# KiCad board LTC6811_ESP32_V5_Main.kicad_pcb (continued)
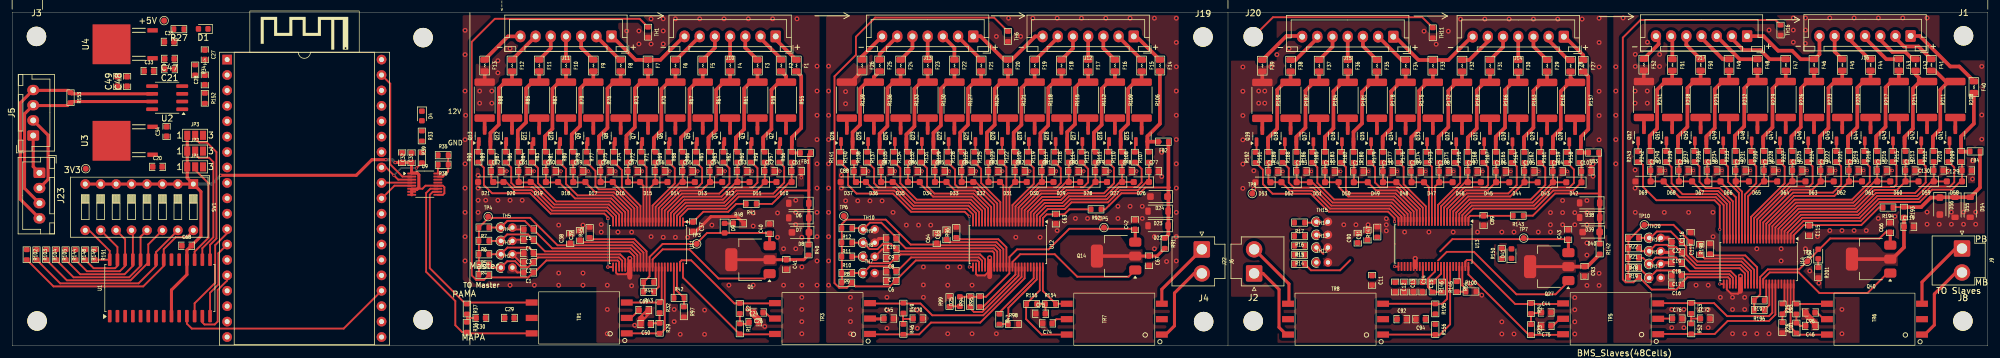
[diagram p0: board, top side]
## Routing (per net, layer and track width the routed paths; a pad name or vN(x,y) marks a point on that pad's centre or on a via; arc(x,y) is an arc through that point)
+3V3: length 103
  Top w0.3: U9.6 67.5,25.9 68,26.4 U9.12 70.85,26.4 71.1,26.15 71.1,25.15 70.85,24.9 U9.9
  Top w0.5: JP3.1 28.8,27.67 SW1.1 ; v1(34.3,28.1) 34.31,28.11 56.61,28.11 59.19,30.69 v1(61.49,30.69) ; SW1.1 31.05,25.42 31.05,18.07 28.74,15.77 28.74,11.75 26.2,9.21 26.2,5.45 ; SW1.1 SW1.8 ; v1(63,30.2) 63.03,30.22 C31.2 C32.1 65.7,28.5 66.59,28.5 66.9,28.19 66.9,26.11 66.59,25.8 65.72,25.8 U9.8
  Bottom w0.5: v1(34.3,28.1) 32.87,26.67 SW1.1 ; v1(61.49,30.69) 62.51,30.69 v1(63,30.2)
/PowerSupply/+12V: length 6.6
  Top w0.5: J5.1 3.46,29.54 J23.1
GND: length 13.4
  Top w0.3: 31.15,32.1 31.6,31.65
  Top w0.5: J23.2 5.91,27.44 5.91,34.71 J5.2
GND_PACK: length 116.4
  Top w0.2: 232.27,8.95 232.3,8.93
  Top w0.3: U11.26 99.35,12.05 99.6,11.8 101,11.8 101.35,12.15 U11.30 101.35,11.55 101.6,11.3 101.85,11.55 U11.31 ; C1.2 83.09,12.1 TH2.2 ; C5.2 82.61,19.19 TH5.2 ; TH4.2 82.48,17.49 C4.2 ; 283.9,8.6 284.55,9.25 U14.31 ; 283.9,8.6 282.75,8.6 282.05,9.3 U14.26 ; 283.9,8.6 284.05,8.75 ; C3.2 82.5,15.3 TH3.2 83.59,13.8 C2.2 ; TH8.2 143.09,15.9 143.83,15.9 ; U12.26 158.55,11.85 158.8,11.6 160,11.6 160.55,12.15 U12.30 U12.31 161.05,11.65
  Top w0.5: C135.2 v1(295.27,28.9) ; C78.2 v1(185,28.8) ; C54.2 v1(117.3,28.8) ; C104.2 v1(255.85,28.76) ; C85.2 v1(154.2,28.8) ; TH9.2 142.59,17.7 C10.2 ; C19.2 271.39,15.4 TH19.2 ; C86.2 v1(149.7,28.8) ; C110.2 v1(227.85,28.76) ; C79.2 v1(180.6,28.8) ; C60.2 v1(90.3,28.8) ; 112.5,18.85 114.95,21.3 119.22,21.3 R48.2 ; C53.2 v1(121.8,28.8) ; v2(260.05,29.96) 259.7,29.61 C103.2 ; C139.2 v1(276.57,28.9) ; TH20.2 272.35,17.8 C22.2 ; C131.2 v1(313.88,28.9) ; C112.2 v1(218.55,28.76) ; C137.2 v1(285.98,28.9) ; v1(85.9,28.8) C61.2 ; C87.2 v1(145.3,28.8) ; C136.2 v1(290.68,28.9) ; C58.2 v1(99.3,28.8) ; C84.2 v1(158.6,28.8) ; C105.2 v1(251.15,28.76) ; C18.2 271.5,13.7 ; C56.2 v1(108.2,28.8) ; C52.2 v1(126.3,28.8) ; C130.2 v1(318.57,28.9) ; C132.2 v1(309.27,28.9) ; C82.2 v1(167.4,28.8) ; C111.2 v1(223.15,28.76) ; C59.2 v1(94.8,28.8) ; C134.2 v1(299.98,28.9) ; C133.2 v1(304.57,28.9) ; C80.2 v1(176.3,28.8) ; C55.2 v1(112.8,28.8) ; C62.2 v1(81.4,28.8) ; C106.2 v1(246.55,28.76) ; C88.2 v1(140.9,28.8) ; 231.75,28.76 v1(232.55,28.76) ; C108.2 v1(237.15,28.76) ; C81.2 v1(171.8,28.8) ; C114.2 v1(209.05,28.76) ; C83.2 v1(162.95,28.8) ; C140.2 v1(271.98,28.9) ; C107.2 v1(241.95,28.76) ; C138.2 v1(281.27,28.9) ; C57.2 v1(103.7,28.8) ; C113.2 v1(213.75,28.76) ; C51.2 v1(129.8,27.7)
  Top w0.6: 77.72,43.5 F13.2 ; R241.1 268.4,43.59 F52.2 ; F26.2 138,43.46 R139.1 ; R190.1 F39.2
  Top w0.8: v2(284.3,11.48) 284.3,9 ; 101.6,11.3 v2(101.6,14.4) ; v2(160.8,14.5) 160.8,11.4 ; v2(230.8,14.41) 230.8,13.06
  Top w1: 103.45,4.1 103.45,4.44 v2(104,4.99) 104.68,5.66 C69.2 ; C26.2 121.97,5.18 122.78,4.38 C24.2 ; C46.1 296.57,3.71 295.02,5.26 295.02,5.5
  vias: v2(74.5,52) v2(74.5,48) v2(74.5,42) v2(74.5,34) v2(74.5,30) v2(74.5,26) v2(74.5,22) v2(74.5,18) v2(74.5,14) v2(74.6,38) v2(76.65,28.1) v2(76.65,26) v2(76.65,24) v2(76.65,22) v2(76.9,42) v2(76.9,40) v2(77.9,24) v2(78.9,42) v2(78.9,40) v2(79.9,47) v2(79.9,45) v2(79.9,24) v2(81.9,49) v2(81.9,24) v2(81.9,10) v2(83.9,24) v2(85.9,10) v2(89.9,19.9) v2(89.9,12) v2(89.9,10) v2(93.9,19.9) v2(93.9,12) v2(93.9,10) v2(96.9,20) v2(96.9,18.75) v2(97.9,10) v2(97.9,6) v2(97.9,2) v2(99.65,18.75) v2(101.1,51.9) v2(101.9,18.75) v2(101.9,9.9) v2(102.4,3.4) v2(103.1,51.9) v2(103.1,49.75) v2(105.1,53.9) v2(105.1,49.75) v2(105.1,18) v2(107.1,53.9) v2(107.1,51.9) v2(107.1,49.75) v2(107.1,17.9) v2(108.9,6) v2(108.9,4) v2(109.1,53.9) v2(109.1,17.9) v2(109.9,1.9) v2(111.1,17.9) v2(113.1,53.9) v2(113.9,5.9) v2(113.9,1.9) v2(115.1,19.9) v2(117.1,53.9) v2(117.9,10) v2(121,6) v2(121.1,53.9) v2(121.9,21.9) v2(121.9,19.75) v2(121.9,10) v2(123.8,3.2) v2(125.1,53.9) v2(125.9,21.9) v2(125.9,17.9) v2(126.9,16) v2(126.9,10) v2(128.9,24) v2(128.9,22) v2(128.9,20) v2(128.9,16) v2(129.1,53.9) v2(129.9,17.9) v2(129.9,13) v2(129.9,10) v2(129.9,8) v2(129.9,6) v2(129.9,4) v2(129.9,2) v2(132.4,46.1) v2(132.4,42) v2(132.4,38) v2(132.4,34) v2(132.4,30) v2(132.4,26) v2(132.4,22) v2(132.4,18) v2(132.4,14) v2(132.4,10) v2(134.3,46.1) v2(134.3,42) v2(134.3,38) v2(134.3,34) v2(134.3,30) v2(134.3,26) v2(134.3,22) v2(134.3,18) v2(134.3,14) v2(134.3,10) v2(136.4,28.1) v2(136.4,26) v2(137.1,41.9) v2(137.1,39.9) v2(137.1,23.9) v2(137.9,8) v2(137.9,6) v2(137.9,4) v2(137.9,2) v2(139.1,23.9) v2(141.1,23.9) v2(143.1,23.9) v2(143.9,8) v2(143.9,5.9) v2(143.9,2.9) v2(144.9,22) v2(147.1,19.9) v2(148.9,5.9) v2(148.9,2.9) v2(149.1,19.9) v2(149.9,13) v2(149.9,10.04) v2(149.9,8) v2(151.1,19.9) v2(153.9,13) v2(153.9,10) v2(153.9,2) v2(155.9,13) v2(157.9,10) v2(157.9,2) v2(161.9,51) v2(161.9,2) v2(163.9,54) v2(165.1,17.9) v2(165.9,51) v2(167.9,54) v2(169.1,17.9) v2(171.9,54) v2(171.9,19) v2(174.9,21) v2(175.9,54) v2(176.9,21) v2(178.9,21) v2(179.9,54) v2(181.9,23) v2(181.9,21) v2(183.9,54) v2(183.9,23) v2(185.9,23) v2(185.9,21) v2(187.9,54) v2(187.9,18) v2(187.9,16) v2(189.1,31.9) v2(189.1,27.9) v2(189.9,13.9) v2(191.5,54) v2(191.5,50) v2(191.5,46) v2(191.5,42) v2(191.5,38) v2(191.5,34) v2(191.5,30) v2(191.5,26) v2(191.5,22) v2(191.5,18) v2(191.5,14) v2(202.45,45.96) v2(202.45,41.96) v2(202.45,37.96) v2(202.45,33.96) v2(202.45,29.96) v2(202.45,25.96) v2(204.25,28.86) v2(204.25,25.86) v2(205.05,42) v2(205.05,40) v2(206.05,42) v2(206.05,40) v2(207.05,46) v2(208.05,48) v2(210.05,49) v2(219.05,19.96) v2(221.05,19.96) v2(223.05,19.96) v2(226.05,20.96) v2(226.05,19.96) v2(226.05,18.96) v2(229.05,18.76) v2(232.25,51.86) v2(233.05,18.76) v2(234.25,49.71) v2(236.25,51.86) v2(237.05,18.76) v2(238.25,53.86) v2(239.85,10.16) v2(241.05,18.76) v2(241.75,8.36) v2(242.25,53.86) v2(245.05,18.76) v2(245.05,3.96) v2(245.05,1.96) v2(246.25,53.86) v2(247.05,18.76) v2(247.05,1.96) v2(250.25,53.86) v2(251.05,18.76) v2(253.05,21.96) v2(253.05,19.96) v2(253.05,18.76) v2(254.25,53.86) v2(255.05,23.96) v2(255.05,21.96) v2(255.05,19.96) v2(257.05,21.96) v2(257.05,19.96) v2(257.05,7.96) v2(257.05,5.96) v2(257.05,3.96) v2(257.05,1.96) v2(258.25,53.86) v2(259.05,23.96) v2(259.05,21.96) v2(259.05,19.96) v2(259.05,16.96) v2(259.05,14.96) v2(259.05,9.96) v2(260.05,27.96) v2(261.05,54) v2(261.05,50) v2(261.05,45.96) v2(261.05,41.96) v2(261.05,37.96) v2(261.05,33.96) v2(261.05,11.96) v2(261.05,9.96) v2(263.8,46) v2(263.8,42) v2(263.8,38) v2(263.8,34) v2(263.8,30) v2(265,54.04) v2(267,48.04) v2(267,46.04) v2(266.98,42) v2(266.98,40) v2(266.98,29) v2(266.98,26) v2(267,22) v2(269,50.04) v2(268.98,42) v2(268.98,40) v2(271,48.04) v2(271,46.04) v2(271.77,22) v2(273,6) v2(273,3) v2(275,6) v2(275,3) v2(275.77,22) v2(277,10) v2(279,10) v2(279,6) v2(279,3) v2(279.77,22) v2(279.8,18) v2(281,8) v2(283,8) v2(283,6) v2(283,2) v2(285,8) v2(285,6) v2(285,2) v2(287,16) v2(287,2) v2(289,52.04) v2(289,2) v2(291,16) v2(291,14) v2(293,54.04) v2(293,52.04) v2(293,50.04) v2(295,54.04) v2(295,52.04) v2(294.98,49.85) v2(295,16) v2(295.7,12.34) v2(296.98,18) v2(297.2,10.34) v2(299,54.04) v2(299,19) v2(301,19) v2(301,6) v2(301,2) v2(303,54.04) v2(303,19) v2(305,19) v2(307,54.04) v2(306.98,21) v2(309.7,21.34) v2(311,54.04) v2(315,54.04) v2(315,22.04) v2(315,20.04) v2(317,20.04) v2(319,22.04) v2(319,20.04) v2(321,22.04) v2(321,20.04) v2(322.48,30.5) v2(322.48,27.5) v2(323,22.04) v2(323,20.04) v2(324,46.05) v2(324,38.05) v2(324,34.05)
/CAN/CAN_H: length 37.6
  Top w0.5: 23.02,40.26 9.77,40.26 9.1,39.6 3.52,39.6 J5.3 2.04,38.24 2.04,25.96 J23.3
/CAN/CAN_L: length 43.2
  Top w0.5: J23.4 1.34,24.16 1.34,40.04 J5.4 3.52,42.1 9.23,42.1 9.79,41.53 U2.6
/MCU/HSPI_CS: length 36.2
  Top w0.3: U8.23 54.53,2.85 29.55,2.85 28.74,3.66 U1.11
/MCU/HSPI_MISO: length 13
  Top w0.3: U8.13 33.93,15.26 33.93,10.13 32.56,8.75 32.56,4.9
/MCU/HSPI_MOSI: length 13.2
  Top w0.3: 31.28,4.43 31.28,5.45 ; U1.13 31.28,3.88 31.64,3.53 33.33,3.53 33.82,4.02 33.82,9.22 35.36,10.76 U8.15
/MCU/HSPI_SCK: length 16.5
  Top w0.3: U8.12 35.36,18.56 33.4,16.6 33.4,10.4 30.02,7.01 30.02,4.95
/MCU/IM: length 32.9
  Top w0.3: U9.10 69.2,25.4 68.7,24.9 68.7,12.8 74.6,6.9 R37.1 75.04,7.14 TR1.4
/MCU/IP: length 39.1
  Top w0.3: TR1.6 74.99,2.06 R36.2 74.05,2.25 72.9,3.4 72.9,7.4 68.1,12.2 68.1,25.2 68.8,25.9 U9.11
/MCU/VSPI_CS: length 5.8
  Top w0.3: 60.82,24.32 62.9,26.4 U9.5
/MCU/VSPI_MISO: length 11.2
  Top w0.3: v1(66.5,29.3) 66.53,29.3 R39.2 ; U9.3 63.5,27.4 61.5,29.4 U8.31
  Bottom w0.3: v1(62.8,28.1) 64,29.3 v1(66.5,29.3)
/MCU/VSPI_MOSI: length 19.7
  Top w0.3: U9.2 64.2,27.9 62.2,29.9 62.2,43.2 U8.37
/MCU/VSPI_SCK: length 5
  Top w0.3: U8.30 60.81,26.9 U9.4
/Slaves/LTC6811_1/BAT+: length 25.1
  Top w0.3: R41.1 125.01,23.4 127.21,25.6 130.95,25.6
  Top w0.5: FB1.1 131.05,31.53 D6.1 131.05,16.68 R40.1 131.07,16.7 ; 131.43,31.8 131.3,31.68
/Slaves/LTC6811_1/C1: length 5.5
  Top w0.6: J11.1 86.09,51 F12.1
/Slaves/LTC6811_1/C1_G: length 7.5
  Top w0.6: J11.0 81.56,51 77.72,47.17 F13.1
/Slaves/LTC6811_1/C2: length 4.6
  Top w0.6: J11.2 88.6,49.04 F11.1
/Slaves/LTC6811_1/C3: length 3.9
  Top w0.6: F10.1 J11.3
/Slaves/LTC6811_1/C4: length 4.7
  Top w0.6: F9.1 93.6,49.14 J11.4
/Slaves/LTC6811_1/C5: length 5.6
  Top w0.6: J11.5 99.96,47.14 F8.1
/Slaves/LTC6811_1/C6: length 15.2
  Top w0.6: J10.0 110.5,51 106.64,47.14 F7.1 102.56,47.14 98.7,51 J11.6
/Slaves/LTC6811_1/C7: length 5.6
  Top w0.6: J10.1 109.24,47.14 F6.1
/Slaves/LTC6811_1/C8: length 4.7
  Top w0.6: F5.1 115.6,49.14 J10.2
/Slaves/LTC6811_1/C9: length 3.9
  Top w0.6: J10.3 F4.1
/Slaves/LTC6811_1/C10: length 4.7
  Top w0.6: F3.1 120.6,49.14 J10.4
/Slaves/LTC6811_1/C11: length 5.3
  Top w0.6: J10.5 123.1,50.7 126.5,47.3 F2.1
/Slaves/LTC6811_1/C12: length 5.3
  Top w0.6: J10.6 125.6,50.5 128.96,47.14 F1.1
/Slaves/LTC6811_1/cell1/C: length 26.5
  Top w0.3: R89.1 78.83,26.94 81.32,26.94 82.61,25.65 85.44,25.65 88.79,22.3 97.74,22.3 98.85,21.19 U11.24
/Slaves/LTC6811_1/cell1/C+: length 15.5
  Top w0.6: F12.2 82.22,43.5 81.1,43.5 80.05,42.45 80.05,36.45 78.67,35.07 Q13.2 78.67,32.07 R89.2
/Slaves/LTC6811_1/cell1/S: length 35.8
  Top w0.3: v3(98,21) 98,21.2 97.4,21.8 88.58,21.8 85.23,25.15 78.95,25.15 77.6,26.5 77.6,29.35 R90.1 ; U11.25 98.01,12.99 v3(98,13)
  Bottom w0.3: v3(98,13) v3(98,21)
/Slaves/LTC6811_1/cell2/C: length 23.3
  Top w0.3: U11.22 99.85,21.61 98.16,23.3 89.2,23.3 85.56,26.94 83.33,26.94 R86.1
/Slaves/LTC6811_1/cell2/C+: length 15.5
  Top w0.6: F11.2 86.7,43.5 85.6,43.5 84.53,42.42 84.53,36.82 83.17,35.47 Q12.2 83.17,32.07 R86.2
/Slaves/LTC6811_1/cell2/S: length 24.3
  Top w0.3: R87.1 82.1,29.38 82.1,26.87 82.82,26.15 85.64,26.15 88.99,22.8 97.95,22.8 99.35,21.4 U11.23
/Slaves/LTC6811_1/cell3/C: length 20
  Top w0.3: U11.20 100.85,22.02 98.57,24.3 92.6,24.3 89.96,26.94 87.8,26.94 R83.1
/Slaves/LTC6811_1/cell3/C+: length 15.5
  Top w0.6: R83.2 87.65,32.07 Q11.2 87.65,34.55 88.88,35.78 88.88,42.38 90,43.5 91.1,43.5 F10.2
/Slaves/LTC6811_1/cell3/S: length 21.2
  Top w0.3: R84.1 85.53,30.28 86.5,29.3 86.5,26.8 89.5,23.8 98.36,23.8 100.35,21.81 U11.21
/Slaves/LTC6811_1/cell4/C: length 16.8
  Top w0.3: U11.18 101.85,22.43 98.98,25.3 95.94,25.3 94.3,26.94 92.3,26.94 R80.1
/Slaves/LTC6811_1/cell4/C+: length 15.6
  Top w0.6: F9.2 95.6,43.5 94.5,43.5 93.43,42.42 93.43,36.22 92.05,34.85 Q10.2 92.05,32.18 R80.2
/Slaves/LTC6811_1/cell4/S: length 17.9
  Top w0.3: R81.1 91.1,29.18 91.1,26.7 93,24.8 98.78,24.8 101.35,22.23 U11.19
/Slaves/LTC6811_1/cell5/C: length 13.5
  Top w0.3: R77.1 D17.1 98.7,27 102.85,22.85 U11.16
/Slaves/LTC6811_1/cell5/C+: length 15.6
  Top w0.6: R77.2 96.55,32.18 Q9.2 96.55,34.55 97.93,35.93 97.93,42.42 99,43.5 100.1,43.5 F8.2
/Slaves/LTC6811_1/cell5/S: length 14.7
  Top w0.3: R78.1 95.95,28.82 95.95,26.35 96.5,25.8 99.19,25.8 102.35,22.64 U11.17
/Slaves/LTC6811_1/cell6/C: length 12.1
  Top w0.3: U11.14 103.85,26.39 103.3,26.94 101.3,26.94 C57.1 R74.1
/Slaves/LTC6811_1/cell6/C+: length 15.6
  Top w0.6: F7.2 104.6,43.5 103.5,43.5 102.43,42.42 102.43,36.03 101.05,34.65 Q8.2 101.05,32.18 R74.2
/Slaves/LTC6811_1/cell6/S: length 11.7
  Top w0.3: U11.15 103.35,23.06 100.3,26.11 100.3,28.97 R75.1
/Slaves/LTC6811_1/cell7/C: length 12.3
  Top w0.3: 105.8,26.94 107.8,26.94 ; 105.8,26.94 R71.1 ; 105.8,26.94 104.85,25.99 U11.12
/Slaves/LTC6811_1/cell7/C+: length 15.6
  Top w0.6: R71.2 105.55,32.18 Q7.2 105.55,34.25 106.8,35.5 106.8,42.3 108,43.5 109.1,43.5 F6.2
/Slaves/LTC6811_1/cell7/S: length 10.2
  Top w0.3: R72.1 104.35,29.43 U11.13
/Slaves/LTC6811_1/cell8/C: length 14
  Top w0.3: 110.3,26.94 R68.1 ; 110.3,26.94 112.3,26.94 ; 110.3,26.94 109.88,26.94 105.85,22.91 U11.10
/Slaves/LTC6811_1/cell8/C+: length 15.5
  Top w0.6: F5.2 113.6,43.5 112.6,43.5 111.43,42.33 111.43,35.72 110.05,34.35 Q6.2 110.05,32.18 R68.2
/Slaves/LTC6811_1/cell8/S: length 11.8
  Top w0.3: R69.1 109,29.28 109,26.77 105.35,23.12 U11.11
/Slaves/LTC6811_1/cell9/S: length 15
  Top w0.3: R66.1 113.5,29.28 113.5,26.84 112.76,26.1 109.75,26.1 106.35,22.7 U11.9
/Slaves/LTC6811_1/cell10/C: length 20.4
  Top w0.3: R62.1 D12.1 D11.2 ; 119.3,26.94 119.04,26.94 116.7,24.6 110.37,24.6 107.85,22.08 U11.6
/Slaves/LTC6811_1/cell10/C+: length 15.6
  Top w0.6: R62.2 119.05,32.18 Q4.2 119.05,34.35 120.4,35.7 120.4,42.4 121.5,43.5 122.6,43.5 F3.2
/Slaves/LTC6811_1/cell10/C-: length 15.5
  Top w0.6: F4.2 118.1,43.5 117.1,43.5 115.8,42.2 115.8,35.6 114.55,34.35 Q5.2 114.55,32.18 R65.2
/Slaves/LTC6811_1/cell10/CM: length 17.2
  Top w0.3: 116.8,26.94 114.8,26.94 ; R65.1 D13.1 113.4,25.6 109.95,25.6 106.85,22.5 U11.8
/Slaves/LTC6811_1/cell10/S: length 18.3
  Top w0.3: U11.7 107.35,22.29 110.16,25.1 116.32,25.1 118,26.78 118,29.28 R63.1
/Slaves/LTC6811_1/cell11/C: length 23.6
  Top w0.3: 123.8,26.94 122.46,25.6 119.11,25.6 117.11,23.6 110.78,23.6 108.85,21.67 U11.4 ; D10.2 D11.1 R59.1
/Slaves/LTC6811_1/cell11/C+: length 16
  Top w0.6: F2.2 127.3,44.46 R55.1 126.16,43.46 124.9,42.2 124.9,35.7 123.55,34.35 Q3.2 123.55,32.18 R59.2
/Slaves/LTC6811_1/cell11/S: length 21.7
  Top w0.3: R60.1 121.62,30.28 122.6,29.3 122.6,26.9 121.8,26.1 118.91,26.1 116.91,24.1 110.58,24.1 108.35,21.87 U11.5
/Slaves/LTC6811_1/cell12/C: length 24.8
  Top w0.3: 128.22,26.94 127.84,26.94 125.5,24.6 119.53,24.6 117.53,22.6 111.2,22.6 109.85,21.25 U11.2 ; D10.1 128.22,30.25
/Slaves/LTC6811_1/cell12/C+: length 15.9
  Top w0.5: 129.78,31.8 128.38,31.8 R56.2
  Top w0.6: R56.2 Q2.2 128.25,34.35 129.8,35.9 129.8,44.46 F1.2
/Slaves/LTC6811_1/cell12/S: length 24.7
  Top w0.3: R57.1 127,29.47 127,26.9 125.2,25.1 119.32,25.1 117.32,23.1 110.99,23.1 109.35,21.46 U11.3
/Slaves/LTC6811_1/DRIVE: length 23.5
  Top w0.3: U11.38 105.35,14.25 107,15.9 111.4,15.9 116.2,11.1 123.8,11.1 Q1.1
/Slaves/LTC6811_1/IMA: length 11.4
  Top w0.3: U11.41 106.85,7.47 R32.1 106.49,7.14 TR1.3
  Top w0.5: R32.1 106.47,7.15
/Slaves/LTC6811_1/IMB: length 19.4
  Top w0.3: U11.47 109.85,13.83 110.12,14.1 111.7,14.1 118.8,7 125.32,7
/Slaves/LTC6811_1/IPA: length 16.9
  Top w0.3: U11.42 107.35,2.72 106.5,1.88 ; TR1.1 106.49,2.06 R29.2
/Slaves/LTC6811_1/IPB: length 20.6
  Top w0.3: 125.34,1.9 119.7,1.9 110.35,11.25 U11.48
/Slaves/LTC6811_1/T1: length 96.8
  Top w0.3: TH1.1 103.22,53.9 79.4,53.9 75.6,50.1 75.6,11.62 76.34,10.88 77.6,10.88 R3.2 78.85,11.28 84.9,11.28 C1.1 85.9,12.1 87.88,14.07 99.6,14.07 99.85,13.83 U11.27
/Slaves/LTC6811_1/T2: length 24.9
  Top w0.3: R4.1 78.92,12.9 TH2.1 81.44,13.95 82.74,13.95 83.71,12.97 84.9,12.97 C2.1 86.5,14.57 99.81,14.57 100.35,14.04 U11.28
/Slaves/LTC6811_1/T3: length 25.1
  Top w0.3: U11.29 100.85,14.24 100.02,15.07 85.95,15.07 C3.1 85.73,15.53 85.06,16.2 81.47,16.2 80.35,15.09 ; 80.35,15.1 R5.1
/Slaves/LTC6811_1/T4: length 27.6
  Top w0.3: R6.1 80.35,17.3 81.42,18.36 84.85,18.36 C4.1 87.64,15.57 101.53,15.57 102.35,14.75 U11.32
/Slaves/LTC6811_1/T5: length 29.2
  Top w0.3: 80.35,19.49 81.47,20.6 84.32,20.6 C5.1 88.84,16.07 101.73,16.07 102.85,14.96 U11.33 ; 80.35,19.5 R7.1
/Slaves/LTC6811_1/Vref2: length 39.7
  Top w0.3: U11.34 103.35,15.16 101.94,16.57 89.72,16.57 85.2,21.1 78.38,21.1 76.78,19.5 76.78,11.7
/Slaves/LTC6811_1/Vreg: length 29.6
  Top w0.3: C40.1 124.53,18.6 114.3,18.6 112.5,16.8 107,16.8 104.85,14.65 U11.37 104.85,11.47 R44.2 R43.2
  Top w0.5: Q1.3 C40.1
/Slaves/LTC6811_2/BAT+: length 29
  Top w0.3: 190.45,26.1 186.41,26.1 185.46,25.15 182.47,25.15 180.47,23.15 180.45,23.15 179.8,22.5 R92.1
  Top w0.6: FB2.1 190.2,18.32 R91.1
/Slaves/LTC6811_2/C1: length 5.1
  Top w0.6: 145.6,51.03 145.6,50.99 142.7,48.09 F25.1
/Slaves/LTC6811_2/C1_G: length 5.3
  Top w0.6: 143.1,51.03 J13.0 139.8,47.7 F26.1
/Slaves/LTC6811_2/C2: length 4.7
  Top w0.6: F24.1 148.1,49.09 148.1,51.03
/Slaves/LTC6811_2/C3: length 3.9
  Top w0.6: F23.1 150.6,51.03
/Slaves/LTC6811_2/C4: length 4.7
  Top w0.6: F22.1 155,49.12 153.1,51.03
/Slaves/LTC6811_2/C5: length 5.5
  Top w0.6: F21.1 155.6,50.94 155.6,51.03
/Slaves/LTC6811_2/C6: length 14.6
  Top w0.6: J12.0 168.29,51 164.43,47.14 F20.1 163.19,47.14 159.3,51.03 158.1,51.03
/Slaves/LTC6811_2/C7: length 5.5
  Top w0.6: F19.1 168.34,47.14 172,50.8 J12.1
/Slaves/LTC6811_2/C8: length 4.6
  Top w0.6: J12.2 174.5,49.04 F18.1
/Slaves/LTC6811_2/C9: length 3.9
  Top w0.6: J12.3 F17.1
/Slaves/LTC6811_2/C10: length 4.6
  Top w0.6: F16.1 179.5,49.04 J12.4
/Slaves/LTC6811_2/C11: length 5.4
  Top w0.6: J12.5 182,50.94 F15.1
/Slaves/LTC6811_2/C12: length 5.9
  Top w0.6: J12.6 184.94,51 F14.1
/Slaves/LTC6811_2/cell1/C: length 26.3
  Top w0.3: R140.1 138.5,27 D36.2 141.85,25.6 145.09,25.6 148.09,22.6 157.11,22.6 158.05,21.66 U12.24
/Slaves/LTC6811_2/cell1/C+: length 16
  Top w0.6: F25.2 141.75,44.31 R136.1 140.56,43.46 139.47,42.38 139.47,36.43 138.25,35.2 Q26.2 138.25,32.18 R140.2
/Slaves/LTC6811_2/cell1/S: length 35.4
  Top w0.3: U12.25 157.46,12.99 v1(157.45,13) ; v1(157.45,21.35) 156.7,22.1 147.88,22.1 144.88,25.1 138.9,25.1 137.5,26.5 137.5,29 136.22,30.28 R141.1
  Bottom w0.3: v1(157.45,13) v1(157.45,21.35)
/Slaves/LTC6811_2/cell2/C: length 23.1
  Top w0.3: R137.1 D36.1 D35.2 145.1,27 148.5,23.6 157.52,23.6 159.05,22.07 U12.22
/Slaves/LTC6811_2/cell2/C+: length 15.6
  Top w0.6: R137.2 142.7,32.18 Q25.2 142.7,34.95 143.97,36.22 143.97,42.47 144.96,43.46 R133.1 F24.2
/Slaves/LTC6811_2/cell2/S: length 24.2
  Top w0.3: U12.23 158.55,21.86 157.31,23.1 148.29,23.1 145.29,26.1 142.49,26.1 141.8,26.79 141.8,29.2 140.72,30.28 R138.1
/Slaves/LTC6811_2/cell3/C: length 20
  Top w0.3: R134.1 D35.1 D34.2 149.3,26.79 151.49,24.6 157.94,24.6 160.05,22.49 U12.20
/Slaves/LTC6811_2/cell3/C+: length 15.5
  Top w0.6: F23.2 R130.1 149.51,43.46 148.43,42.38 148.43,36.18 147.1,34.85 Q24.2 147.1,32.18 R134.2
/Slaves/LTC6811_2/cell3/S: length 21.1
  Top w0.3: U12.21 159.55,22.28 157.73,24.1 148.8,24.1 146.1,26.8 146.1,29.3 145.12,30.28 R135.1
/Slaves/LTC6811_2/cell4/C: length 16.7
  Top w0.3: U12.18 161.05,22.9 158.35,25.6 155.1,25.6 D33.2 D34.1 R131.1
/Slaves/LTC6811_2/cell4/C+: length 15.5
  Top w0.6: F22.2 R127.1 153.86,43.46 152.78,42.38 152.78,36.32 151.55,35.1 Q23.2 151.55,32.18 R131.2
/Slaves/LTC6811_2/cell4/S: length 18.2
  Top w0.3: U12.19 160.55,22.69 158.14,25.1 151.7,25.1 150.5,26.3 150.5,29.28 R132.1
/Slaves/LTC6811_2/cell5/C: length 13.6
  Top w0.3: U12.16 162.05,23.45 158.5,27 D32.2 D33.1 R128.1
/Slaves/LTC6811_2/cell5/C+: length 15.5
  Top w0.6: F21.2 R124.1 158.26,43.46 157.22,42.42 157.22,36.43 155.95,35.15 Q22.2 155.95,32.18 R128.2
/Slaves/LTC6811_2/cell5/S: length 14.8
  Top w0.3: R129.1 155.1,29.07 155.1,26.6 155.6,26.1 158.69,26.1 161.55,23.24 U12.17
/Slaves/LTC6811_2/cell6/C: length 12
  Top w0.3: R125.1 D32.1 D31.2 163.05,26.45 U12.14
/Slaves/LTC6811_2/cell6/C+: length 15.5
  Top w0.6: R125.2 160.35,32.18 Q21.2 160.35,35.15 161.62,36.43 161.62,42.38 162.71,43.46 R121.1 F20.2
/Slaves/LTC6811_2/cell6/S: length 11.6
  Top w0.3: U12.15 162.55,23.69 159.4,26.84 159.4,29.18 R126.1
/Slaves/LTC6811_2/cell7/C: length 12.2
  Top w0.3: U12.12 164.05,26.05 D31.1 ; D31.1 D30.2 ; D31.1 R122.1
/Slaves/LTC6811_2/cell7/C+: length 15.6
  Top w0.6: F19.2 R118.1 167.01,43.46 166.03,42.47 166.03,36.43 164.75,35.15 Q20.2 164.75,32.18 R122.2
/Slaves/LTC6811_2/cell7/S: length 10.2
  Top w0.3: U12.13 163.55,29.45 162.72,30.28 R123.1
/Slaves/LTC6811_2/cell8/C: length 13.8
  Top w0.3: D30.1 R119.1 ; D30.1 D29.2 ; D30.1 169.06,27 165.05,22.99 U12.10
/Slaves/LTC6811_2/cell8/C+: length 15.6
  Top w0.6: R119.2 169.15,32.18 Q19.2 169.15,35.05 170.43,36.32 170.43,42.53 171.36,43.46 R115.1 F18.2
/Slaves/LTC6811_2/cell8/S: length 11.7
  Top w0.3: U12.11 164.55,23.2 168.05,26.7 168.05,29.32 R120.1
/Slaves/LTC6811_2/cell9/S: length 14.8
  Top w0.3: R117.1 172.5,29.28 172.5,26.84 171.76,26.1 168.86,26.1 165.55,22.79 U12.9
/Slaves/LTC6811_2/cell10/C: length 20.1
  Top w0.3: D28.1 R113.1 ; D28.1 176.85,25.65 173.43,25.65 172.33,24.55 169.44,24.55 167.05,22.16 U12.6 ; D28.1 D27.2
/Slaves/LTC6811_2/cell10/C+: length 15.5
  Top w0.6: F16.2 R109.1 180.31,43.46 179.22,42.38 179.22,36.43 177.95,35.15 Q17.2 177.95,32.18 R113.2
/Slaves/LTC6811_2/cell10/C-: length 15.6
  Top w0.6: F17.2 R112.1 175.76,43.46 174.82,42.53 174.82,36.53 173.55,35.25 Q18.2 173.55,32.18 R116.2
/Slaves/LTC6811_2/cell10/CM: length 16.9
  Top w0.3: D29.1 173.36,27 171.96,25.6 169.07,25.6 166.05,22.58 U12.8 ; D29.1 D28.2 ; D29.1 R116.1
/Slaves/LTC6811_2/cell10/S: length 18.1
  Top w0.3: U12.7 166.55,22.37 169.28,25.1 172.17,25.1 173.22,26.15 176.21,26.15 177,26.94 177,29.18 R114.1
/Slaves/LTC6811_2/cell11/C: length 23.2
  Top w0.3: D26.2 D27.1 ; D27.1 182.2,27 179.85,24.65 173.84,24.65 172.74,23.55 169.85,23.55 168.05,21.75 U12.4 ; D27.1 R110.1
/Slaves/LTC6811_2/cell11/C+: length 15.5
  Top w0.6: F15.2 R106.1 184.66,43.46 183.57,42.38 183.57,36.57 182.35,35.35 Q16.2 182.35,32.18 R110.2
/Slaves/LTC6811_2/cell11/S: length 21.1
  Top w0.3: U12.5 167.55,21.96 169.64,24.05 172.53,24.05 173.63,25.15 179.61,25.15 181.25,26.79 181.25,29.32 R111.1
/Slaves/LTC6811_2/cell12/C: length 24.4
  Top w0.3: R107.1 D26.1 186.56,27 185.21,25.65 182.26,25.65 180.26,23.65 174.26,23.65 173.16,22.55 170.35,22.55 169.05,21.25 U12.2
/Slaves/LTC6811_2/cell12/C+: length 16.3
  Top w0.6: F14.2 188.8,36.6 186.75,34.55 Q15.2 ; 188.8,33.65 186.76,33.65 Q15.2 ; R107.2 186.75,32.18 Q15.2
/Slaves/LTC6811_2/cell12/S: length 24.4
  Top w0.3: R108.1 185.8,29.18 185.8,26.94 185.01,26.15 182.06,26.15 180.06,24.15 174.05,24.15 172.95,23.05 170.06,23.05 168.55,21.54 U12.3
/Slaves/LTC6811_2/DRIVE: length 23.6
  Top w0.3: U12.38 164.55,13.83 165.82,15.1 171.5,15.1 175.2,11.4 183.65,11.4 Q14.1
/Slaves/LTC6811_2/IMA: length 29.9
  Top w0.3: U12.41 166.05,11.35 159.74,5.04 151.35,5.04 149.41,6.98 141.17,6.98
/Slaves/LTC6811_2/IMB: length 17.3
  Top w0.3: TR7.6 169.34,1.86 166.8,4.4 166.8,6.9 169.05,9.15 U12.47
/Slaves/LTC6811_2/IPA: length 31.1
  Top w0.3: U12.42 166.55,11.14 159.25,3.84 151.15,3.84 149.21,1.9 141.17,1.9
/Slaves/LTC6811_2/IPB: length 9.1
  Top w0.3: 173.24,6.7 TR7.4 171.66,6.94 169.55,9.05 U12.48
/Slaves/LTC6811_2/T1: length 96.7
  Top w0.3: U12.27 159.05,13.83 158.8,14.07 148.65,14.07 144.38,9.8 138.72,9.8 R8.2 137.3,9.57 136.04,9.57 135.28,10.34 135.28,44.42 138.8,47.95 138.8,50.94 141.96,54.1 161.53,54.1 TH6.1
/Slaves/LTC6811_2/T2: length 24.4
  Top w0.3: U12.28 159.55,14.04 159.01,14.57 147.88,14.57 145.6,12.3 C7.1 144.55,13.12 141.12,13.12 TH7.1 R9.1
/Slaves/LTC6811_2/T3: length 24.6
  Top w0.3: R10.1 140,14.7 141.07,13.62 144.43,13.62 145.2,14.4 145.38,14.4 ; 145.38,14.3 146.15,15.07 159.22,15.07 160.05,14.24 U12.29
/Slaves/LTC6811_2/T4: length 27.2
  Top w0.3: U12.32 161.55,15.33 161.3,15.57 145.81,15.57 144.56,16.82 143.22,16.82 142.35,15.95 141.04,15.95 TH9.1 R11.1
/Slaves/LTC6811_2/T5: length 28.6
  Top w0.3: 145.28,18 142.97,20.3 141.09,20.3 140.19,19.4 R12.1 ; U12.33 162.05,15.54 161.51,16.07 147,16.07 145.38,17.7
/Slaves/LTC6811_2/Vref2: length 43.7
  Top w0.3: U12.34 162.55,15.74 161.72,16.57 152.45,16.57 ; 137.2,20.8 136.8,21.2 TP6.1 ; 137.2,20.8 143.7,20.8 147.8,16.7 152.32,16.7 152.45,16.57 ; 137.2,20.8 136.48,20.08 136.48,10.41 R8.1 136.47,11.95 ; 152.45,16.57 C64.1
/Slaves/LTC6811_2/Vreg: length 37.2
  Top w0.3: D25.2 160.19,8.09 164.05,11.95 U12.37 164.05,14.65 165.3,15.9 170.5,15.9 173.9,19.3 184.6,19.3 C42.1
  Top w0.5: Q14.3 184.75,19.15 C42.1
/Slaves/LTC6811_3/BAT+: length 29.2
  Top w0.3: R143.1 250.15,21.46 253.8,25.11 261.1,25.11
  Top w0.5: 260.98,31.86 261.15,31.68
  Top w0.6: 261.15,31.68 D40.1 R142.1
/Slaves/LTC6811_3/C1: length 6.3
  Top w0.6: F38.1 211.1,47.11 214.7,50.71 214.7,51.07
/Slaves/LTC6811_3/C1_G: length 8.2
  Top w0.6: 212.2,51.07 209.61,51.07 F39.1
/Slaves/LTC6811_3/C2: length 4.9
  Top w0.6: F37.1 217.2,49.31 217.2,51.07
/Slaves/LTC6811_3/C3: length 4
  Top w0.6: F36.1 219.7,51.07
/Slaves/LTC6811_3/C4: length 4.9
  Top w0.6: F35.1 222.2,49.41 222.2,51.07
/Slaves/LTC6811_3/C5: length 6.2
  Top w0.6: 224.7,51.07 224.7,50.99 228.58,47.11 F34.1
/Slaves/LTC6811_3/C6: length 16.3
  Top w0.6: 227.2,51.07 227.38,51.07 231.34,47.11 F33.1 236.26,47.11 240.22,51.07 240.25,51.07
/Slaves/LTC6811_3/C7: length 6.4
  Top w0.6: 242.75,51.07 242.75,50.16 239.7,47.11 F32.1
/Slaves/LTC6811_3/C8: length 4.9
  Top w0.6: F31.1 245.25,49.26 245.25,51.07
/Slaves/LTC6811_3/C9: length 4
  Top w0.6: 247.75,51.07 F30.1
/Slaves/LTC6811_3/C10: length 4.9
  Top w0.6: 250.25,51.07 250.25,49.36 F29.1
/Slaves/LTC6811_3/C11: length 5.7
  Top w0.6: 252.75,51.07 252.75,50.36 256.01,47.1 F28.1
/Slaves/LTC6811_3/C12: length 5.3
  Top w0.6: 255.28,51.07 258.45,47.9 F27.1
/Slaves/LTC6811_3/cell1/C: length 27.7
  Top w0.3: 228.05,20.48 228.05,21.12 226.55,22.62 216.79,22.62 213.84,25.57 210.2,25.57 D52.2 206.66,26.97 206.65,26.96 R191.1
/Slaves/LTC6811_3/cell1/C+: length 15.5
  Top w0.6: F38.2 R187.1 209.32,43.43 208.1,42.21 208.1,35.81 206.6,34.31 Q39.2 206.6,31.93 R191.2
/Slaves/LTC6811_3/cell1/S: length 36.7
  Top w0.3: v1(227.4,13.07) 227.41,13.06 228.05,13.06 ; v1(227.4,20.47) 227.4,21.06 226.34,22.12 216.58,22.12 213.63,25.07 207.34,25.07 205.75,26.66 205.75,29.03 R192.1
  Bottom w0.3: v1(227.4,13.07) v1(227.4,20.47)
/Slaves/LTC6811_3/cell2/C: length 24.3
  Top w0.3: 229.05,20.48 229.05,21.53 226.96,23.62 217.2,23.62 213.85,26.97 D51.2 D52.1 R188.1
/Slaves/LTC6811_3/cell2/C+: length 15.4
  Top w0.6: R188.2 211.25,31.95 Q38.2 211.25,34.46 212.75,35.96 212.75,42.06 214.12,43.43 R184.1 F37.2
